# KiCad board bees.kicad_pcb (continued)
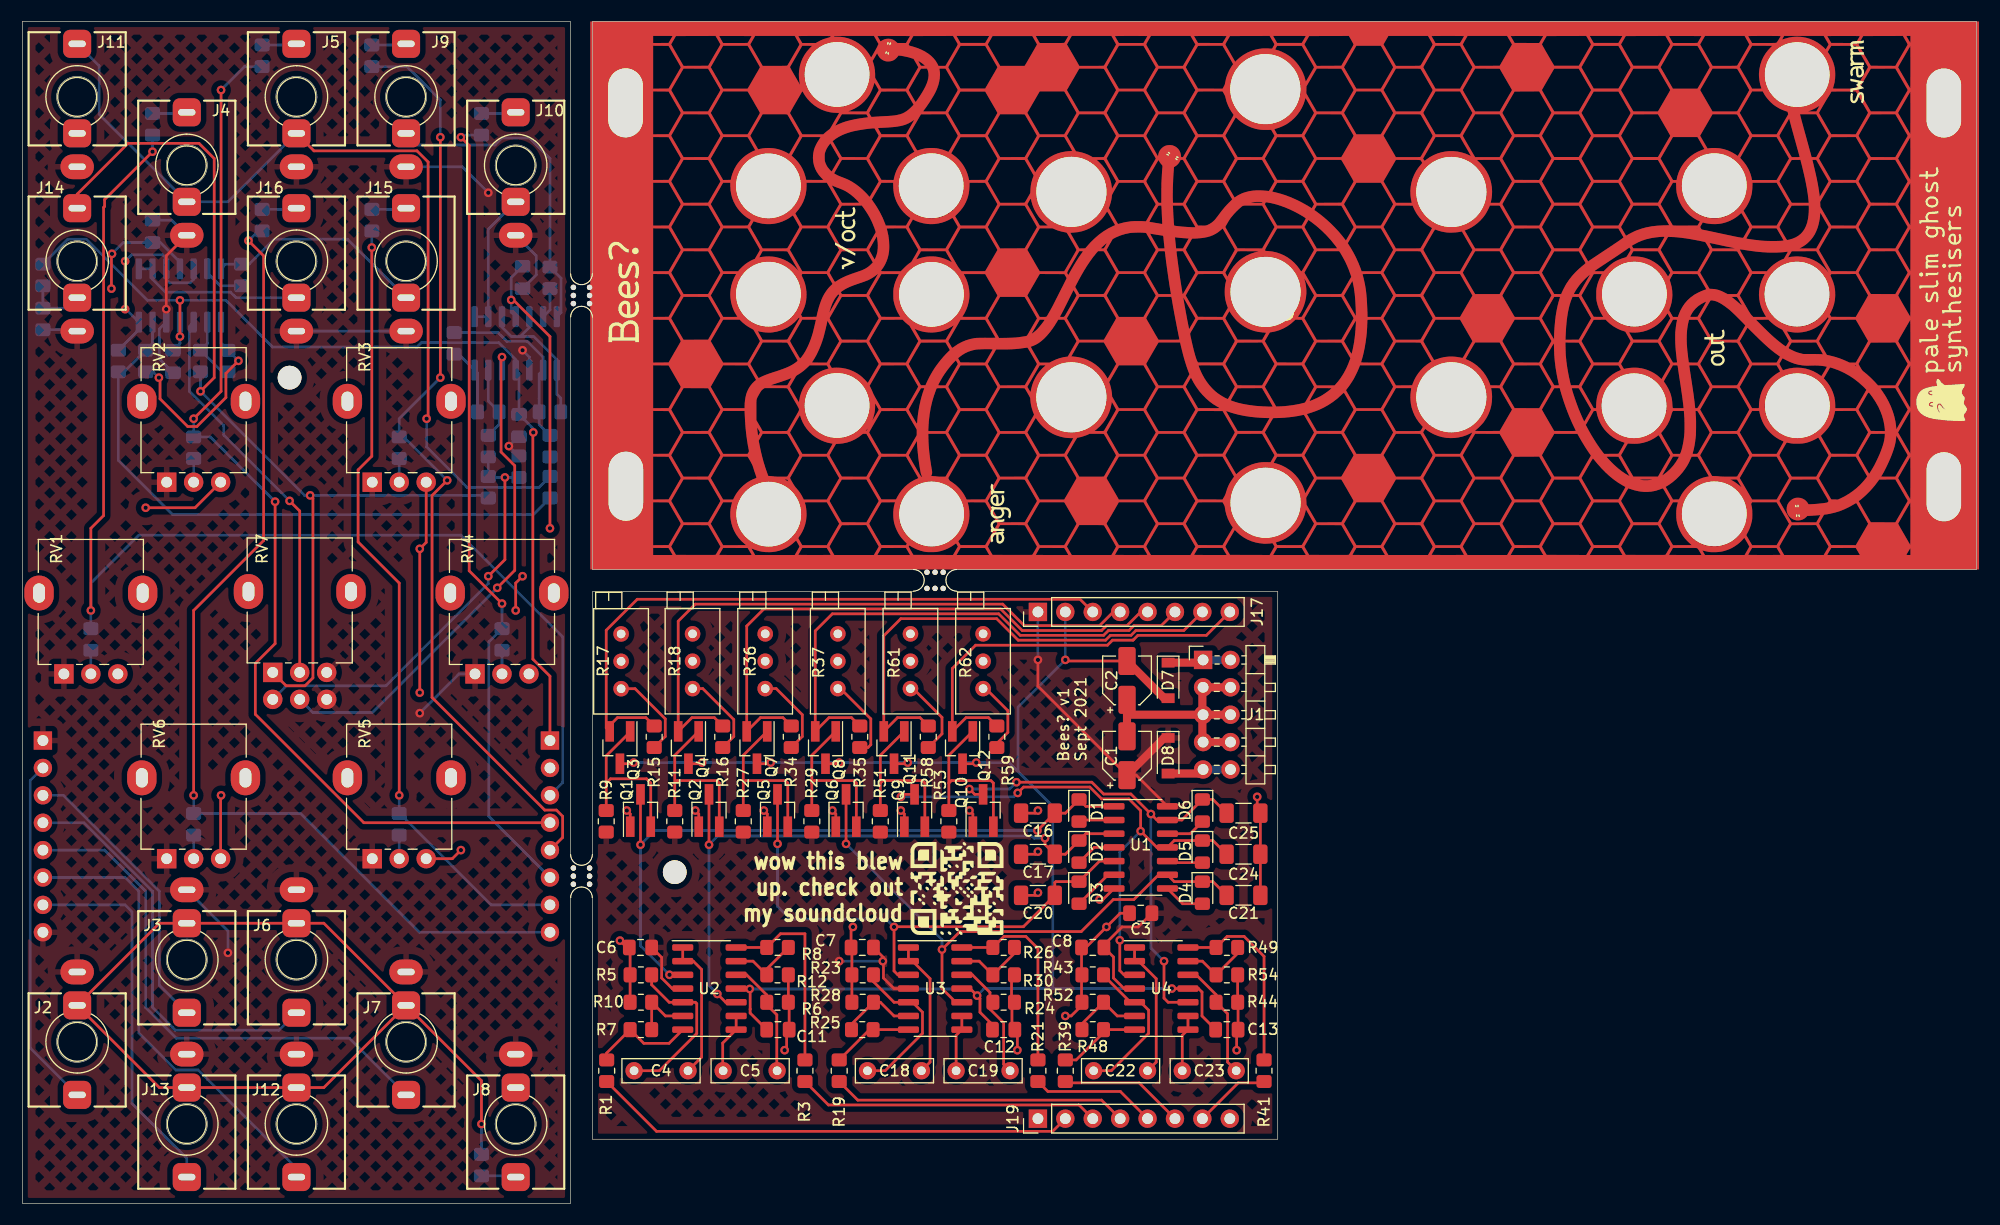
[diagram p0: board, top side]
## Footprints (pads in the part's own frame, mm; a bottom-side part is the same pattern mirrored in y, then rotated)
C_0805_2012Metric_Pad1.18x1.45mm_HandSolder
  rrect 1.175x1.45 smd: 1(-1.038,0) 2(1.038,0)
C_1206_3216Metric_Pad1.33x1.80mm_HandSolder
  rrect 1.325x1.8 smd: 1(-1.562,0) 2(1.562,0)
C_Rect_L7.0mm_W2.0mm_P5.00mm
  round 1.6 hole 0.8: 1(0,0) 2(5,0)
CP_Elec_4x5.8
  rrect 2.6x1.6 smd: 1(-1.8,0) 2(1.8,0)
D_0805_2012Metric_Pad1.15x1.40mm_HandSolder
  rrect 1.15x1.4 smd: 1(-1.025,0) 2(1.025,0)
D_SOD-123
  rect 0.9x1.2 smd: 1(-1.65,0) 2(1.65,0)
Jack_3.5mm_QingPu_WQP-PJ398SM_Vertical
  oval 3.1x2.3 hole 1.6x0.6: S(0,-6.48)
  rrect 2.6x2.6 hole 1.6x0.6: T(0,4.92) TN(0,-3.38)
MountingHole_2.2mm_M2
  round 2.2 hole 2.2 unplated: (0,0)
mouse-bite-2mm-slot
  round 0.5 hole 0.5 unplated: (-0.75,0.75) (-0.75,-0.75) (0,0.75) (0,-0.75) (0.75,0.75) (0.75,-0.75)
PinHeader_1x08_P2.54mm_Vertical
  rect 1.7x1.7 hole 1: 1(0,0)
  oval 1.7x1.7 hole 1: 2(0,-2.54) 3(0,-5.08) 4(0,-7.62) 5(0,-10.16) 6(0,-12.7) 7(0,-15.24) 8(0,-17.78)
PinHeader_2x05_P2.54mm_Horizontal
  rect 1.7x1.7 hole 1: 1(0,0)
  oval 1.7x1.7 hole 1: 2(2.54,0) 3(0,-2.54) 4(2.54,-2.54) 5(0,-5.08) 6(2.54,-5.08) 7(0,-7.62) 8(2.54,-7.62) 9(0,-10.16) 10(2.54,-10.16)
PinSocket_1x08_P2.54mm_Vertical
  rect 1.7x1.7 hole 1: 1(0,0)
  oval 1.7x1.7 hole 1: 2(0,-2.54) 3(0,-5.08) 4(0,-7.62) 5(0,-10.16) 6(0,-12.7) 7(0,-15.24) 8(0,-17.78)
Potentiometer_Alpha_RD901F-40-00D_Single_Vertical
  oval 3.24x2.72 hole 1.8x1.1: (7.5,2.3) (7.5,-7.3)
  rect 1.8x1.8 hole 1: 1(0,0)
  round 1.8 hole 1: 2(0,-2.5) 3(0,-5)
Potentiometer_Alpha_RD902F-40-00D_Dual_Vertical
  oval 3.24x2.72 hole 1.8x1.1: (7.5,2.25) (7.5,-7.25)
  rect 1.8x1.8 hole 1: 1(0,0)
  round 1.8 hole 1: 2(0,-2.5) 3(0,-5) 4(-2.5,0) 5(-2.5,-2.5) 6(-2.5,-5)
Potentiometer_Bourns_3296X_Horizontal
  round 1.44 hole 0.8: 1(0,0) 2(-2.54,0) 3(-5.08,0)
R_0805_2012Metric_Pad1.20x1.40mm_HandSolder
  rrect 1.2x1.4 smd: 1(-1,0) 2(1,0)
SOIC-14_3.9x8.7mm_P1.27mm
  rrect 1.95x0.6 smd: 1(-2.475,3.81) 2(-2.475,2.54) 3(-2.475,1.27) 4(-2.475,0) 5(-2.475,-1.27) 6(-2.475,-2.54) 7(-2.475,-3.81) 8(2.475,-3.81) 9(2.475,-2.54) 10(2.475,-1.27) 11(2.475,0) 12(2.475,1.27) 13(2.475,2.54) 14(2.475,3.81)
SOT-23_Handsoldering
  rect 1.9x0.8 smd: 1(-1.5,0.95) 2(-1.5,-0.95) 3(1.5,0)
unnamed
  round 6.5 hole 6.5 unplated: (0,0)
unnamed#2
  round 6 hole 6 unplated: (0,0)
unnamed#3
  oval 6.4x3.2 hole 6.4x3.2 unplated: (0,0)

## Nets
+12V: C1.1 C3.2 C6.2 C7.2 C8.2 D8.1 J17.1 R9.1 R11.1 R27.1 R29.1 R51.1 R53.1 U1.14 U2.4 U3.4 U4.4
+12VA: C9.2 C10.2 J18.1 R60.2 U5.4 U6.4
-12V: C2.2 C11.1 C12.1 C13.1 D7.2 J17.2 Q3.3 Q4.3 Q7.3 Q8.3 Q11.3 Q12.3 U2.11 U3.11 U4.11
-12VA: C14.1 C15.1 J18.2 RV1.3 RV2.3 RV3.3 RV4.3 RV5.3 RV6.3 U5.11 U6.11
GND: C1.2 C2.1 C3.1 C6.1 C7.1 C8.1 C11.2 C12.2 C13.2 C16.1 C17.1 C20.1 C21.1 C24.1 C25.1 J1.3 J1.4 J1.5 J1.6 J1.7 J1.8 J19.1 J19.8 Q1.1 Q2.1 Q5.1 Q6.1 Q9.1 Q10.1 R5.2 R6.2 R10.2 R12.2 R17.2 R17.3 R18.2 R18.3 R23.2 R24.2 R28.2 R30.2 R36.2 R36.3 R37.2 R37.3 R43.2 R44.2 R52.2 R54.2 R61.2 R61.3 R62.2 R62.3 U1.7
GND1: C9.1 C10.1 C14.2 C15.2 J2.S J3.S J4.S J5.S J6.S J7.S J8.S J9.S J10.S J11.S J12.S J13.S J14.S J15.S J16.S J20.1 J20.8 R64.1 R71.1 RV1.1 RV2.1 RV3.1 RV4.1 RV5.1 RV6.1 RV7.3 RV7.6 U5.5 U6.3
B_CV1: J17.3 Q3.2 R15.1
B_CV2: J17.4 Q4.2 R16.1
B_CV3: J17.5 Q7.2 R34.1
B_CV4: J17.6 Q8.2 R35.1
B_CV5: J17.7 Q11.2 R58.1
B_CV6: J17.8 Q12.2 R59.1
B_Out1: J19.2 R1.2
B_Out2: J19.3 R3.2
B_Out3: J19.4 R19.2
B_Out4: J19.5 R21.2
B_Out5: J19.6 R39.2
B_Out6: J19.7 R41.2
F_CV1: J18.3 R2.2 R13.2
F_CV2: J18.4 R4.2 R14.2
F_CV3: J18.5 R20.2 R32.2
F_CV4: J18.6 R22.2 R33.2
F_CV5: J18.7 R40.2 R56.2
F_CV6: J18.8 R42.2 R57.2
F_Out1: J2.T J20.2
F_Out2: J3.T J20.3
F_Out3: J6.T J20.4
F_Out4: J7.T J20.5
F_Out5: J12.T J20.6
F_Out6: J13.T J20.7
Mix: J2.TN J3.TN J6.TN J7.TN J12.TN J13.TN R31.1
V/oct: J4.TN J5.TN J11.T R38.1 R63.1
V/oct +1: J9.TN R66.2 U6.14
V/oct +2: J15.TN R46.2 U5.14
V/oct -1: J10.TN U6.8 U6.9
V/oct -2: J16.TN U5.8 U5.9
Net-(C4-Pad1): C4.1 U2.1 U2.2
Net-(C4-Pad2): C4.2 R5.1 U2.5
Net-(C5-Pad1): C5.1 U2.8 U2.9
Net-(C5-Pad2): C5.2 R6.1 U2.12
Net-(C16-Pad2): C16.2 D1.1 Q1.3 U1.1 U2.3
Net-(C17-Pad2): C17.2 D2.1 Q2.3 U1.3 U2.10
Net-(C18-Pad1): C18.1 U3.1 U3.2
Net-(C18-Pad2): C18.2 R23.1 U3.5
Net-(C19-Pad1): C19.1 U3.8 U3.9
Net-(C19-Pad2): C19.2 R24.1 U3.12
Net-(C20-Pad2): C20.2 D3.1 Q5.3 U1.5 U3.3
Net-(C21-Pad2): C21.2 D4.1 Q6.3 U1.9 U3.10
Net-(C22-Pad1): C22.1 U4.1 U4.2
Net-(C22-Pad2): C22.2 R43.1 U4.5
Net-(C23-Pad1): C23.1 U4.8 U4.9
Net-(C23-Pad2): C23.2 R44.1 U4.12
Net-(C24-Pad2): C24.2 D5.1 Q9.3 U1.11 U4.3
Net-(C25-Pad2): C25.2 D6.1 Q10.3 U1.13 U4.10
Net-(D1-Pad2): D1.2 U1.2
Net-(D2-Pad2): D2.2 U1.4
Net-(D3-Pad2): D3.2 U1.6
Net-(D4-Pad2): D4.2 U1.8
Net-(D5-Pad2): D5.2 U1.10
Net-(D6-Pad2): D6.2 U1.12
Net-(J1-Pad1): D7.1 J1.1 J1.2
Net-(J1-Pad10): D8.2 J1.9 J1.10
Net-(J4-PadT): J4.T R13.1
Net-(J5-PadT): J5.T R14.1
Net-(J8-PadT): J8.T R31.2
Net-(J9-PadT): J9.T R32.1
Net-(J10-PadT): J10.T R33.1
Net-(J14-PadT): J14.T R50.1 R68.2 RV7.1
Net-(J14-PadTN): J14.TN R60.1 R64.2
Net-(J15-PadT): J15.T R56.1
Net-(J16-PadT): J16.T R57.1
Net-(Q1-Pad2): Q1.2 Q3.1 R9.2
Net-(Q2-Pad2): Q2.2 Q4.1 R11.2
Net-(Q5-Pad2): Q5.2 Q7.1 R27.2
Net-(Q6-Pad2): Q6.2 Q8.1 R29.2
Net-(Q10-Pad2): Q10.2 Q12.1 R53.2
Net-(Q11-Pad1): Q9.2 Q11.1 R51.2
Net-(R1-Pad1): R1.1 R7.2 U2.7
Net-(R2-Pad1): R2.1 RV1.2
Net-(R3-Pad1): R3.1 R8.2 U2.14
Net-(R4-Pad1): R4.1 RV2.2
Net-(R10-Pad1): R7.1 R10.1 U2.6
Net-(R12-Pad1): R8.1 R12.1 U2.13
Net-(R15-Pad2): R15.2 R17.1
Net-(R16-Pad2): R16.2 R18.1
Net-(R19-Pad1): R19.1 R25.2 U3.7
Net-(R20-Pad1): R20.1 RV3.2
Net-(R21-Pad1): R21.1 R26.2 U3.14
Net-(R22-Pad1): R22.1 RV4.2
Net-(R25-Pad1): R25.1 R28.1 U3.6
Net-(R26-Pad1): R26.1 R30.1 U3.13
Net-(R34-Pad2): R34.2 R36.1
Net-(R35-Pad2): R35.2 R37.1
Net-(R38-Pad2): R38.2 R47.1 R55.2 U5.6
Net-(R39-Pad1): R39.1 R48.2 U4.7
Net-(R40-Pad1): R40.1 RV5.2
Net-(R41-Pad1): R41.1 R49.2 U4.14
Net-(R42-Pad1): R42.1 RV6.2
Net-(R45-Pad1): R45.1 R50.2 U5.2
Net-(R45-Pad2): R45.2 R55.1 U5.1
Net-(R46-Pad1): R46.1 U5.13
Net-(R47-Pad2): R47.2 U5.7 U5.10 U5.12
Net-(R48-Pad1): R48.1 R52.1 U4.6
Net-(R49-Pad1): R49.1 R54.1 U4.13
Net-(R58-Pad2): R58.2 R61.1
Net-(R59-Pad2): R59.2 R62.1
Net-(R63-Pad2): R63.2 R67.1 R70.2 U6.2
Net-(R65-Pad1): R65.1 R69.2 U6.6
Net-(R65-Pad2): R65.2 R70.1 U6.7
Net-(R66-Pad1): R66.1 U6.13
Net-(R67-Pad2): R67.2 U6.1 U6.10 U6.12
Net-(R68-Pad1): R68.1 R69.1 R71.2 RV7.4
Net-(RV7-Pad2): RV7.2 U5.3
Net-(RV7-Pad5): RV7.5 U6.5

Pads without a net: J8 TN; J11 TN

## Via types
v1: diameter 0.8, hole 0.4, Top to Bottom, 96 vias

## Routing (per net, layer and track width the routed paths; a pad name or vN(x,y) marks a point on that pad's centre or on a via; arc(x,y) is an arc through that point)
+12V: length 55.7
  Top w0.25: C3.2 103.41,25.64 101.91,25.64 100.23,23.96 C8.2 101.12,22.85 101.12,20.9 102.09,19.93 U4.4 ; U2.4 60.22,19.93 59.25,20.9 59.25,22.81 C6.2 58.32,23.97 ; U3.4 80.78,19.93 79.8,20.91 79.8,22.81 C7.2 ; U1.14 103.22,39.72 C1.1 94.11,47.97 v1(94.11,50.41)
  Top w0.75: C1.1 105.82,43.17 D8.1
  Bottom w0.25: 79.51,22.47 v1(75.7,22.47) ; v1(94.11,50.41) J17.1
  vias: v1(79.74,22.47)
+12VA: length 92.6
  Top w0.25: v1(47.35,71.5) 47.31,71.46 47.31,50.48 48.89,48.89 J18.1 ; v1(14.61,83.75) v1(14.61,80.39)
  Bottom w0.25: v1(47.35,71.5) 47.31,71.54 47.31,71.89 C10.2 46.03,76.97 U6.4 45.72,78.25 44.14,79.83 36.98,79.83 36.57,79.42 23.19,79.42 18.87,83.75 v1(14.61,83.75) 11.6,83.75 5.93,89.42 4.22,89.42 R60.2 ; U5.4 v1(14.61,80.39) 14.61,79.75 C9.2
-12V: length 150.8
  Top w0.25: Q4.3 62.89,40.78 v1(63,40.88) ; v1(88.4,40.88) 88.29,40.78 Q12.3 ; C2.2 96.76,50.3 v1(96.65,50.41) ; v1(106.52,19.93) U4.11 108.99,19.93 109.32,19.6 109.32,17.38 C13.1 ; 67.45,19.92 67.44,19.92 v1(67.41,19.89) ; 67.45,19.92 67.45,18.03 67.44,18.02 67.44,17.66 C11.1 ; 67.45,19.92 67.44,19.93 U2.11 ; C12.1 89.9,16.57 88.74,17.73 88.74,19.01 87.82,19.93 U3.11 ; v1(75.7,40.88) 75.59,40.78 Q8.3 ; Q11.3 81.94,40.78 v1(82.05,40.88) ; Q7.3 69.24,40.78 v1(69.35,40.88) ; v1(56.65,40.88) 56.54,40.78 Q3.3
  Top w0.75: D7.2 105.82,46.85 C2.2
  Bottom w0.25: 92.28,40.05 91.44,40.88 v1(88.4,40.88) v1(82.05,40.88) v1(75.7,40.88) v1(69.35,40.88) v1(63,40.88) v1(56.65,40.88) ; 92.28,40.05 92.28,46.03 v1(96.65,50.41) J17.2 ; 92.28,40.05 95.5,36.83 95.5,20.04 95.38,19.93 ; v1(106.52,19.93) 95.38,19.93 ; 95.38,19.93 89.13,19.93 v1(88.48,19.27) 87.86,19.89 v1(67.41,19.89)
-12VA: length 80
  Top w0.25: v1(8.31,88.06) 8.25,88.01 v1(8.25,84.83) ; v1(45.31,83.79) 45.5,83.79 48.89,80.39 v1(48.89,62.61) ; v1(45.72,54.99) 45.72,57.53 v1(46.36,58.16) ; RV5.3 39.84,31.97 v1(40.64,32.76) ; v1(11.43,64.51) 16,64.51 RV2.3 ; v1(36.83,47.37) v1(36.83,60.7) 37.42,61.3 RV3.3 ; v1(18.41,37.84) 18.38,37.8 RV6.3
  Bottom w0.25: U6.11 45.31,82.64 45.31,85.86 C15.1 ; v1(8.31,88.06) 9.36,89.11 C14.1 12.79,89.11 14.61,87.29 U5.11
GND: length 96.2
  Top w0.25: C11.2 71.06,18.58 ; C7.1 76.8,25.47 ; U1.7 100.14,28.18 v1(99.83,28.18) ; v1(70.64,14.21) 70.83,14.4 70.83,16.12 ; C21.1 C24.1 C25.1 114.43,36.48 v1(114.43,37.71) ; Q5.1 69.03,36.12 v1(68.71,36.44) ; C17.1 93.87,32.38 v1(94.11,32.63) ; v1(87.76,36.44) 88.08,36.12 Q10.1 ; C16.1 93.87,36.19 v1(94.11,36.44) ; v1(56.01,36.44) 56.33,36.12 Q1.1 ; v1(55.38,24.37) 56.01,23.74 C6.1 56.32,23.66 R5.2 R10.2 ; C3.1 101.73,26.91 v1(100.46,25.64) 98.56,23.74 C8.1 98.16,18.35 97.19,17.39 v1(96.65,17.39) ; v1(81.41,36.44) 81.73,36.12 Q9.1 ; R28.2 R23.2 76.87,23.66 ; v1(75.06,36.44) 75.38,36.12 Q6.1 ; v1(112.53,14.21) 112.53,15.98 C13.2 112.66,18.62 R44.2 R54.2 ; 91.67,21.2 91.67,18.66 91.71,18.62 91.71,16.12 92.21,15.61 v1(92.21,14.21) ; v1(62.36,36.44) 62.68,36.12 Q2.1 ; C20.1 93.87,28.57 v1(94.11,28.82) ; R6.2 R12.2
  Top w0.75: 109.35,45.32 109.35,47.86 111.89,47.86 ; 109.35,45.32 109.35,42.78 111.89,42.78 ; 109.35,45.32 111.89,45.32 ; 102.37,45.33 C2.1 ; 102.37,45.33 C1.2 ; 102.37,45.33 102.37,45.32 J1.5
  vias: v1(76.97,25.64)
GND1: length 65.1
  Top w0.25: J4.S 13.34,87.88 v1(13.34,82.93)
  Bottom w0.25: v1(43.18,93.72) 40.77,96.13 J9.S ; C15.2 47.62,86.1 47.62,87.88 J10.S ; v1(46.36,79.12) 46.99,78.48 U6.3 ; C9.1 12.7,78.31 12.7,81.09 U5.5 v1(13.34,82.93) ; 46.01,71.08 C10.1 45.95,71.1 v1(45.08,70.23) 45.99,69.32 R71.1 ; C14.2 13.84,91.18 J4.S ; R64.1 4.95,81.02 J14.S ; RV4.1 40.47,49.1 v1(36.83,45.46) ; v1(19.05,23.24) 19.05,25.27 15.24,29.08 ; J15.S J16.S
B_CV1: length 61.6
  Top w0.25: J17.3 98.02,56.03 56.98,56.03 54.11,53.15 54.11,44.1 Q3.2 54.43,44.33 55.15,45.05 57.78,45.05 R15.1
B_CV2: length 58.2
  Top w0.25: J17.4 101.1,54.85 99.83,53.58 92.84,53.58 90.85,55.58 62.36,55.58 60.78,53.99 Q4.2 62.05,45.05 64.13,45.05 R16.1
B_CV3: length 54.1
  Top w0.25: J17.5 103.64,54.85 102.37,53.58 100.46,53.58 100.01,53.13 92.66,53.13 90.66,55.13 68.71,55.13 67.13,53.54 Q7.2 68.4,45.05 70.48,45.05 R34.1
B_CV4: length 50
  Top w0.25: J17.6 105.54,53.58 103,53.58 102.55,53.13 100.65,53.13 100.2,52.68 92.47,52.68 90.48,54.68 75.06,54.68 73.48,53.09 Q8.2 74.75,45.05 76.83,45.05 R35.1
B_CV5: length 45.9
  Top w0.25: J17.7 107.63,53.13 103.19,53.13 102.74,52.68 100.84,52.68 100.39,52.23 92.29,52.23 90.29,54.23 81.41,54.23 79.83,52.64 Q11.2 81.1,45.05 83.18,45.05 R58.1
B_CV6: length 38.7
  Top w0.25: R59.1 89.53,45.05 87.45,45.05 Q12.2 86.18,49.6 88.34,51.77 100.56,51.77 101.02,52.23 102.93,52.23 103.38,52.68 109.72,52.68 J17.8
B_Out1: length 44.9
  Top w0.25: R1.2 58.77,6.69 95.48,6.69 J19.2
B_Out2: length 28.1
  Top w0.25: R3.2 74.7,9.13 97.92,9.13 J19.3
B_Out3: length 27.5
  Top w0.25: R19.2 75.7,11.3 77.42,9.58 100.01,9.58 J19.4
B_Out4: length 11.6
  Top w0.25: J19.5 101.75,10.38 95.04,10.38 R21.2
B_Out5: length 11.6
  Top w0.25: R39.2 96.78,11.18 103.49,11.18 J19.6
B_Out6: length 7.1
  Top w0.25: R41.2 114.94,11.18 112.67,11.18 J19.7
F_CV1: length 115.3
  Top w0.25: v1(6.35,54.99) 6.35,62.61 7.53,63.79 7.53,92.37 7.62,92.45 7.62,93.09 v1(12.07,97.53)
  Bottom w0.25: J18.3 50.07,39.02 50.07,52.55 40.64,61.97 10.8,61.97 6.35,57.53 v1(6.35,54.99) R2.2 ; R13.2 v1(12.07,97.53)
F_CV2: length 99.9
  Top w0.25: v1(15.88,72.77) 18.41,75.31 v1(18.41,103.25) ; v1(23.42,65.08) 23.42,51.91 21.59,50.08 21.59,45.36 31.65,35.3 J18.4
  Bottom w0.25: v1(15.88,72.77) R4.2 17.42,71.08 v1(23.42,65.08) ; v1(18.41,103.25) 20.59,105.42 R14.2
F_CV3: length 87.6
  Top w0.25: v1(38.73,76.58) v1(38.73,98.87) ; J18.5 50.07,33.94 50.07,35.9 49.49,36.48 48.41,36.48 37.97,46.92 37.97,65.65 v1(39.37,67.05)
  Bottom w0.25: R32.2 35.64,105.42 38.73,102.33 v1(38.73,98.87) ; v1(39.37,67.05) 35.34,71.08 R20.2 34.92,72.77 v1(38.73,76.58)
F_CV4: length 75.1
  Top w0.25: v1(40.64,98.87) 41.41,98.11 41.41,58.67 v1(44.45,55.62)
  Bottom w0.25: v1(44.45,55.62) R22.2 43.23,52.08 43.23,35.89 J18.6 ; R33.2 40.84,99.07 v1(40.64,98.87)
F_CV5: length 73.6
  Top w0.25: v1(32.39,88.64) 32.39,69.29 31.11,68.02 31.11,61.34 34.92,57.53 v1(34.92,37.84)
  Bottom w0.25: 32.39,90.18 v1(32.39,88.64) ; v1(34.92,37.84) R40.2 34.97,36.15 43.44,27.68 J18.7
F_CV6: length 95.6
  Top w0.25: v1(20.96,89.28) 22.36,87.88 22.36,61.47 15.88,54.99 v1(15.88,37.84)
  Bottom w0.25: 22.22,90.18 21.86,90.18 v1(20.96,89.28) ; J18.8 36.8,25.14 25.79,36.15 R42.2 v1(15.88,37.84)
F_Out1: length 32.6
  Bottom w0.25: J20.2 0.73,39.21 0.73,14.41 J2.T
F_Out2: length 26.8
  Bottom w0.25: J3.T 12.7,20.22 12.7,28.95 3.81,37.84 J20.3
F_Out3: length 38.5
  Bottom w0.25: J6.T 23.78,16.06 14.16,16.06 13.97,16.25 13.97,16.28 12.06,18.18 12.06,28.95 5.71,35.3 J20.4
F_Out4: length 49.4
  Bottom w0.25: J20.5 7.62,32.76 11.43,28.95 11.43,18.16 14.27,15.32 30.31,15.32 J7.T
F_Out5: length 43.2
  Bottom w0.25: J12.T 25.4,3.26 16.29,12.37 14.23,12.37 10.79,15.81 10.79,28.95 9.52,30.22 J20.6
F_Out6: length 35.2
  Bottom w0.25: J20.7 9.53,27.68 10.16,27.05 10.16,9.27 15.24,4.19 J13.T
Mix: length 90.3
  Top w0.25: J7.TN 42.55,11.38 v1(42.55,7.36) ; J7.TN 27.94,25.98 J6.TN J3.TN 12.7,25.98 J2.TN 12.7,10.74 J13.TN J12.TN 27.94,10.74 J7.TN
  Bottom w0.25: v1(42.55,7.36) R31.1
V/oct: length 86.7
  Top w0.25: v1(37.47,72.77) 37.6,72.91 37.6,96.58 36.57,97.61 27.03,97.61 J5.TN
  Bottom w0.25: J11.T 7.12,105.49 7.12,101 J4.TN 19.05,92.88 J5.TN ; R63.1 R38.1 47.88,66.4 41.22,66.4 37.47,70.15 v1(37.47,72.77)
V/oct +1: length 30.1
  Bottom w0.25: J9.TN 36.64,98.15 43.8,98.15 44.45,98.8 46.99,98.8 48.89,96.9 R66.2 49.92,85.81 49.92,82.62 U6.14
V/oct +2: length 20.5
  Bottom w0.25: U5.14 18.85,87.1 R46.2 21.02,87.1 23.33,89.42 30.14,89.42 J15.TN
V/oct -1: length 13
  Bottom w0.25: J10.TN 43.18,90.34 U6.9 U6.8
V/oct -2: length 16.3
  Bottom w0.25: U5.8 U5.9 12.07,85.7 13.25,84.51 19.3,84.51 19.81,83.99 J16.TN
Net-(C4-Pad1): length 13.2
  Top w0.25: U2.1 U2.2 62.17,22.47 62.95,21.69 62.95,13.57 C4.1
Net-(C4-Pad2): length 15.8
  Top w0.25: R5.1 58.32,20.28 59.94,18.66 U2.5 62.36,18.66 62.5,18.52 62.5,15.77 59.04,12.31 C4.2
Net-(C5-Pad1): length 5.6
  Top w0.25: U2.9 U2.8 64.9,14.87 64.9,12.31 C5.1
Net-(C5-Pad2): length 11.1
  Top w0.25: 68.75,18.66 69.92,17.49 69.92,12.33 C5.2 ; R6.1 68.98,19.34 67.12,21.2 U2.12
Net-(C16-Pad2): length 65
  Top w0.25: v1(59.97,21.2) 61.19,21.2 U2.3 ; Q1.3 v1(57.28,33.26) ; U1.1 98.56,36.83 D1.1 96.65,36.19 C16.2 v1(94.07,34.58)
  Bottom w0.25: v1(94.07,34.58) 58.6,34.58 v1(57.28,33.26) 57.28,23.89 v1(59.97,21.2)
Net-(C17-Pad2): length 60.6
  Top w0.25: v1(94.77,33.87) 94.77,33.29 C17.2 96.65,32.38 D2.1 98.56,34.29 U1.3 ; U2.10 65.17,18.66 v1(64.4,19.43) ; Q2.3 v1(63.63,33.26)
  Bottom w0.25: v1(94.77,33.87) 94.75,33.86 93.76,33.86 93.55,34.07 64.45,34.07 v1(63.63,33.26) 63.63,20.2 v1(64.4,19.43)
Net-(C18-Pad1): length 12.8
  Top w0.25: C18.1 84.12,13.11 84.12,20.84 82.49,22.47 U3.2 U3.1
Net-(C18-Pad2): length 14.8
  Top w0.25: C18.2 79.95,12.31 83.41,15.77 83.41,17.74 82.49,18.66 U3.5 80.78,18.66 78.87,20.56 R23.1
Net-(C19-Pad1): length 5.3
  Top w0.25: C19.1 86.53,15.59 U3.8 U3.9
Net-(C19-Pad2): length 11.3
  Top w0.25: C19.2 90.94,12.9 90.94,16.75 89.67,18.02 89.67,19.57 88.04,21.2 U3.12
Net-(C20-Pad2): length 51.9
  Top w0.25: 81.4,21.35 81.55,21.2 U3.3 81.14,21.2 80.78,21.56 v1(80.78,25.64) 80.8,25.66 92.76,25.66 C20.2 95.68,29.74 95.77,29.84 D3.1 99.83,31.75 U1.5 ; Q5.3 v1(69.98,33.35)
  Bottom w0.25: v1(80.78,25.64) 80.05,26.37 71.16,26.37 69.98,27.55 v1(69.98,33.35)
Net-(C21-Pad2): length 54.1
  Top w0.25: C21.2 110.33,29.84 D4.1 106.75,29.84 U1.9 105.3,30.48 103,28.18 101.1,28.18 98.13,25.21 86.89,25.21 v1(85.22,23.55) 85.22,19.93 86.49,18.66 U3.10 ; Q6.3 v1(76.33,33.35)
  Bottom w0.25: v1(85.22,23.55) 85.22,24.46 v1(76.33,33.35)
Net-(C22-Pad1): length 12.8
  Top w0.25: C22.1 105.07,13.11 105.07,20.84 103.45,22.47 U4.2 U4.1
Net-(C22-Pad2): length 14.2
  Top w0.25: C22.2 100.91,12.31 104.37,15.77 104.37,17.93 103.64,18.66 U4.5 102.69,18.66 100.19,21.15 R43.1
Net-(C23-Pad1): length 5.3
  Top w0.25: C23.1 107.49,15.59 U4.8 U4.9
Net-(C23-Pad2): length 11.2
  Top w0.25: U4.12 108.78,21.2 110.62,19.36 R44.1 111.69,17.59 111.69,13.11 C23.2
Net-(C24-Pad2): length 51.4
  Top w0.25: v1(81.41,37.71) 81.64,37.94 Q9.3 ; U4.3 102.09,21.2 101.7,21.59 v1(101.7,24.41) ; C24.2 110.33,33.65 D5.1 106.75,33.65 U1.11 105.14,33.02 v1(103.63,34.52) 103.63,36.43 102.54,37.52 100.02,37.52 98.92,38.61 92.78,38.61 v1(92.24,38.07)
  Bottom w0.25: v1(103.63,34.52) 101.7,32.59 101.7,24.41 ; v1(92.24,38.07) 91.88,37.71 v1(81.41,37.71)
Net-(C25-Pad2): length 48.3
  Top w0.25: Q10.3 88.26,37.94 v1(87.76,38.43) ; U4.10 106.18,18.66 105.8,19.04 v1(105.8,22.47) ; v1(92.12,39.06) 99.11,39.06 100.2,37.97 102.73,37.97 v1(104.58,36.11) 105.14,35.56 U1.13 107.45,35.56 D6.1 110.33,37.46 C25.2
  Bottom w0.25: v1(105.8,22.47) 104.58,23.68 v1(104.58,36.11) ; v1(87.76,38.43) 91.49,38.43 v1(92.12,39.06)
Net-(D1-Pad2): length 3.3
  Top w0.25: D1.2 98.07,35.56 U1.2
Net-(D2-Pad2): length 3.8
  Top w0.25: D2.2 99.34,33.02 U1.4
Net-(D3-Pad2): length 4.4
  Top w0.25: D3.2 100.61,30.48 U1.6
Net-(D4-Pad2): length 3.8
  Top w0.25: D4.2 107.53,27.79 U1.8
Net-(D5-Pad2): length 3.3
  Top w0.25: D5.2 106.26,31.6 U1.10
Net-(D6-Pad2): length 3.7
  Top w0.25: D6.2 108.23,34.29 U1.12
Net-(J1-Pad1): length 5.9
  Top w0.75: J1.1 109.17,50.15 D7.1
  Bottom w0.75: 109.35,50.4 111.89,50.4 111.89,50.41 111.89,50.4
Net-(J1-Pad10): length 5.9
  Top w0.75: J1.9 109.04,39.87 D8.2
  Bottom w0.75: 109.35,40.24 111.89,40.24
Net-(J4-PadT): length 3.2
  Bottom w0.25: J4.T 15.13,101.07 R13.1
Net-(J5-PadT): length 3.2
  Bottom w0.25: R14.1 25.29,107.42 J5.T
Net-(J8-PadT): length 3.2
  Bottom w0.25: J8.T 45.61,2.55 R31.2
Net-(J9-PadT): length 3.2
  Bottom w0.25: J9.T 35.45,107.42 R32.1
Net-(J10-PadT): length 3.2
  Bottom w0.25: R33.1 45.61,101.07 J10.T
Net-(J14-PadT): length 92.8
  Top w0.25: J14.T 5.08,93.59 9.79,98.31 16.37,98.31 17.78,96.9 17.78,76.58 v1(16.51,75.31) ; RV7.1 24.45,48 26.2,48 26.93,48.74 26.93,65.4 v1(26.67,65.66)
  Bottom w0.25: R68.2 42.94,65.66 v1(26.67,65.66) 26.16,65.66 v1(16.51,75.31) R50.1
Net-(J14-PadTN): length 5.7
  Bottom w0.25: J14.TN 4.11,83.02 R64.2 R60.1
Net-(J15-PadT): length 3.2
  Bottom w0.25: J15.T 35.45,92.18 R56.1
Net-(J16-PadT): length 3.2
  Bottom w0.25: J16.T 25.29,92.18 R57.1
Net-(Q1-Pad2): length 16.8
  Top w0.25: Q1.2 58.23,38.99 57.84,39.38 54.51,39.38 54.11,38.98 ; 54.11,38.98 54.11,41.51 56.33,43.73 Q3.1 ; 54.11,38.98 R9.2
Net-(Q2-Pad2): length 16.6
  Top w0.25: 60.46,38.98 60.69,39.21 64.36,39.21 64.58,38.99 Q2.2 ; 60.46,38.98 60.46,41.56 Q4.1 ; 60.46,38.98 R11.2
Net-(Q5-Pad2): length 16.6
  Top w0.25: Q7.1 66.81,41.56 66.81,38.98 ; R27.2 66.81,38.98 ; 66.81,38.98 67.04,39.21 70.71,39.21 70.93,38.99 Q5.2
Net-(Q6-Pad2): length 16.6
  Top w0.25: 73.16,38.98 73.39,39.21 77.06,39.21 77.28,38.99 Q6.2 ; 73.16,38.98 73.16,41.56 Q8.1 ; 73.16,38.98 R29.2
Net-(Q10-Pad2): length 16.6
  Top w0.25: Q12.1 85.86,41.56 85.86,38.98 ; Q10.2 89.98,38.99 89.76,39.21 86.09,39.21 85.86,38.98 ; 85.86,38.98 R53.2
Net-(Q11-Pad1): length 16.6
  Top w0.25: Q9.2 83.63,38.99 83.41,39.21 79.74,39.21 79.51,38.98 ; Q11.1 79.51,41.56 79.51,38.98 ; R51.2 79.51,38.98
Net-(R1-Pad1): length 9.6
  Top w0.25: U2.7 59.93,14.85 57.59,14.85 R7.2 54.15,13.94 R1.1
Net-(R2-Pad1): length 2.2
  Bottom w0.25: R2.1 RV1.2
Net-(R3-Pad1): length 18.6
  Top w0.25: U2.14 R8.2 70.25,25.01 72.52,25.01 R3.1
Net-(R4-Pad1): length 2.2
  Bottom w0.25: R4.1 RV2.2
Net-(R10-Pad1): length 5.9
  Top w0.25: U2.6 59.59,17.39 R10.1 R7.1
Net-(R12-Pad1): length 6.7
  Top w0.25: R8.1 68.98,21.74 R12.1 67.71,22.47 U2.13
Net-(R15-Pad2): length 8.3
  Top w0.25: R17.1 56.78,47.73 59.58,44.94 59.58,43.3 R15.2
Net-(R16-Pad2): length 7.8
  Top w0.25: 62.36,47.74 63.06,47.74 65.93,44.87 65.93,43.3 R16.2
Net-(R19-Pad1): length 7.6
  Top w0.25: U3.7 R25.2 78.51,16.12 R19.1
Net-(R20-Pad1): length 2.2
  Bottom w0.25: R20.1 RV3.2
Net-(R21-Pad1): length 18.3
  Top w0.25: R21.1 94.11,23.64 92.99,24.76 90.96,24.76 R26.2 U3.14
Net-(R22-Pad1): length 2.2
  Bottom w0.25: R22.1 RV4.2
Net-(R25-Pad1): length 7.2
  Top w0.25: U3.6 80.78,17.39 79.51,18.66 R28.1 76.84,16.62 R25.1
Net-(R26-Pad1): length 6.8
  Top w0.25: R26.1 91.94,23.2 R30.1 88.67,22.47 U3.13
Net-(R34-Pad2): length 7.9
  Top w0.25: R36.1 69.86,47.74 72.28,45.32 72.28,43.3 R34.2
Net-(R35-Pad2): length 7.7
  Top w0.25: R37.1 75.82,47.74 78.63,44.93 78.63,42.54 78.36,42.28 R35.2
Net-(R38-Pad2): length 57.2
  Bottom w0.25: U5.6 12.07,79.75 R55.2 9.43,77.12 R47.1 8.89,68.92 13.93,63.88 47.36,63.88 R38.2
Net-(R39-Pad1): length 7.6
  Top w0.25: R39.1 97.65,13.31 100.46,16.12 U4.7
Net-(R40-Pad1): length 2.2
  Bottom w0.25: R40.1 RV5.2
Net-(R41-Pad1): length 17.8
  Top w0.25: U4.14 R49.2 111.65,24.76 113.22,24.76 115.07,22.91 R41.1
Net-(R42-Pad1): length 2.2
  Bottom w0.25: R42.1 RV6.2
Net-(R45-Pad1): length 6.2
  Bottom w0.25: R45.1 18.51,77.12 R50.2 17.14,79.75 U5.2
Net-(R45-Pad2): length 19.9
  Top w0.25: v1(12.65,76.58) 12.76,76.47 12.76,74.62 15.33,72.05 16.18,72.05 18.86,74.73 18.86,76.97 v1(20.03,78.14)
  Bottom w0.25: U5.1 18.41,79.75 R45.2 20.03,78.14 v1(20.03,78.14) ; v1(12.65,76.58) 12.11,77.12 R55.1
Net-(R46-Pad1): length 4
  Bottom w0.25: R46.1 18.33,85.1 17.14,86.29 U5.13
Net-(R47-Pad2): length 19.5
  Top w0.25: v1(9.53,87.37) v1(9.53,82.93)
  Bottom w0.25: v1(9.53,82.93) 9.59,82.93 U5.7 10.8,81.02 R47.2 ; U5.12 15.88,85.7 15.55,85.38 13.66,85.38 13.34,85.7 U5.10 13.34,87.65 13.01,87.97 10.12,87.97 v1(9.53,87.37)
Net-(R48-Pad1): length 6.8
  Top w0.25: U4.6 101.46,17.39 R52.1 98.19,16.66 R48.1
Net-(R49-Pad1): length 6.5
  Top w0.25: R49.1 112.62,23.2 R54.1 109.35,22.47 U4.13
Net-(R58-Pad2): length 7.3
  Top w0.25: R58.2 85.22,43.55 85.22,45.07 82.55,47.74 R61.1
Net-(R59-Pad2): length 7
  Top w0.25: R62.1 89.28,47.74 91.33,45.7 91.33,43.68 90.3,42.66 R59.2
Net-(R63-Pad2): length 16.9
  Bottom w0.25: R70.2 44.08,80.75 44.9,79.94 46.8,79.94 48.26,78.48 U6.2 47.89,76.91 47.89,73.5 ; R63.2 47.89,72.23 R67.1
Net-(R65-Pad1): length 6.9
  Bottom w0.25: R69.2 44.18,72.23 R65.1 43.18,74.4 U6.6
Net-(R65-Pad2): length 6.5
  Bottom w0.25: R65.2 42.18,77.01 U6.7 40.44,78.75 R70.1
Net-(R66-Pad1): length 2.9
  Bottom w0.25: R66.1 48.89,82.86 U6.13
Net-(R67-Pad2): length 14.5
  Bottom w0.25: 46.12,80.39 47.39,80.39 49.53,78.25 U6.1 49.53,75.04 49.89,74.67 R67.2 ; 46.12,80.39 45.32,80.39 44.45,81.25 U6.10 ; 46.12,80.39 46.99,81.25 U6.12
Net-(R68-Pad1): length 39.6
  Top w0.25: v1(44.72,67.32) 44.72,59.7 v1(43.18,58.16)
  Bottom w0.25: RV7.4 24.46,48 33.69,48 43.18,57.49 v1(43.18,58.16) ; R69.1 R68.1 43.28,67.32 R71.2
Net-(RV7-Pad2): length 36.9
  Top w0.25: v1(24.77,65.15) 25.71,64.21 RV7.2
  Bottom w0.25: v1(24.77,65.15) 18.66,71.25 18.66,72.13 15.49,75.31 15.49,81.34 U5.3
Net-(RV7-Pad5): length 47.4
  Top w0.25: v1(44.01,57.09) 45.63,58.71 45.63,68.41 44.36,69.68 44.36,78.4 v1(44.45,78.48)
  Bottom w0.25: v1(44.45,78.48) U6.5 ; v1(44.01,57.09) 32.44,45.52 26.93,45.52 RV7.5

## Copper pours and planes (outline as drawn; the poured copper is in the pictures)
+12V on Top: 116.34,56.76 116.34,5.96 52.84,5.96 52.84,56.76
-12VA on Bottom: 50.8,-0.26 0,-0.26 0,109.6 50.8,109.6
GND on Bottom: 116.34,56.76 116.34,5.96 52.84,5.96 52.84,56.76
GND1 on Top: 50.8,-0.26 0,-0.26 0,109.6 50.8,109.6

## Text on the board
B.Silkscreen: nice | JLCJLCJLCJLC | red stripe →
F.Silkscreen: Bees? v1 / Sept 2021 | wow this blew / up. check out / my soundcloud
